# KiCad board MUX.kicad_pcb (continued)
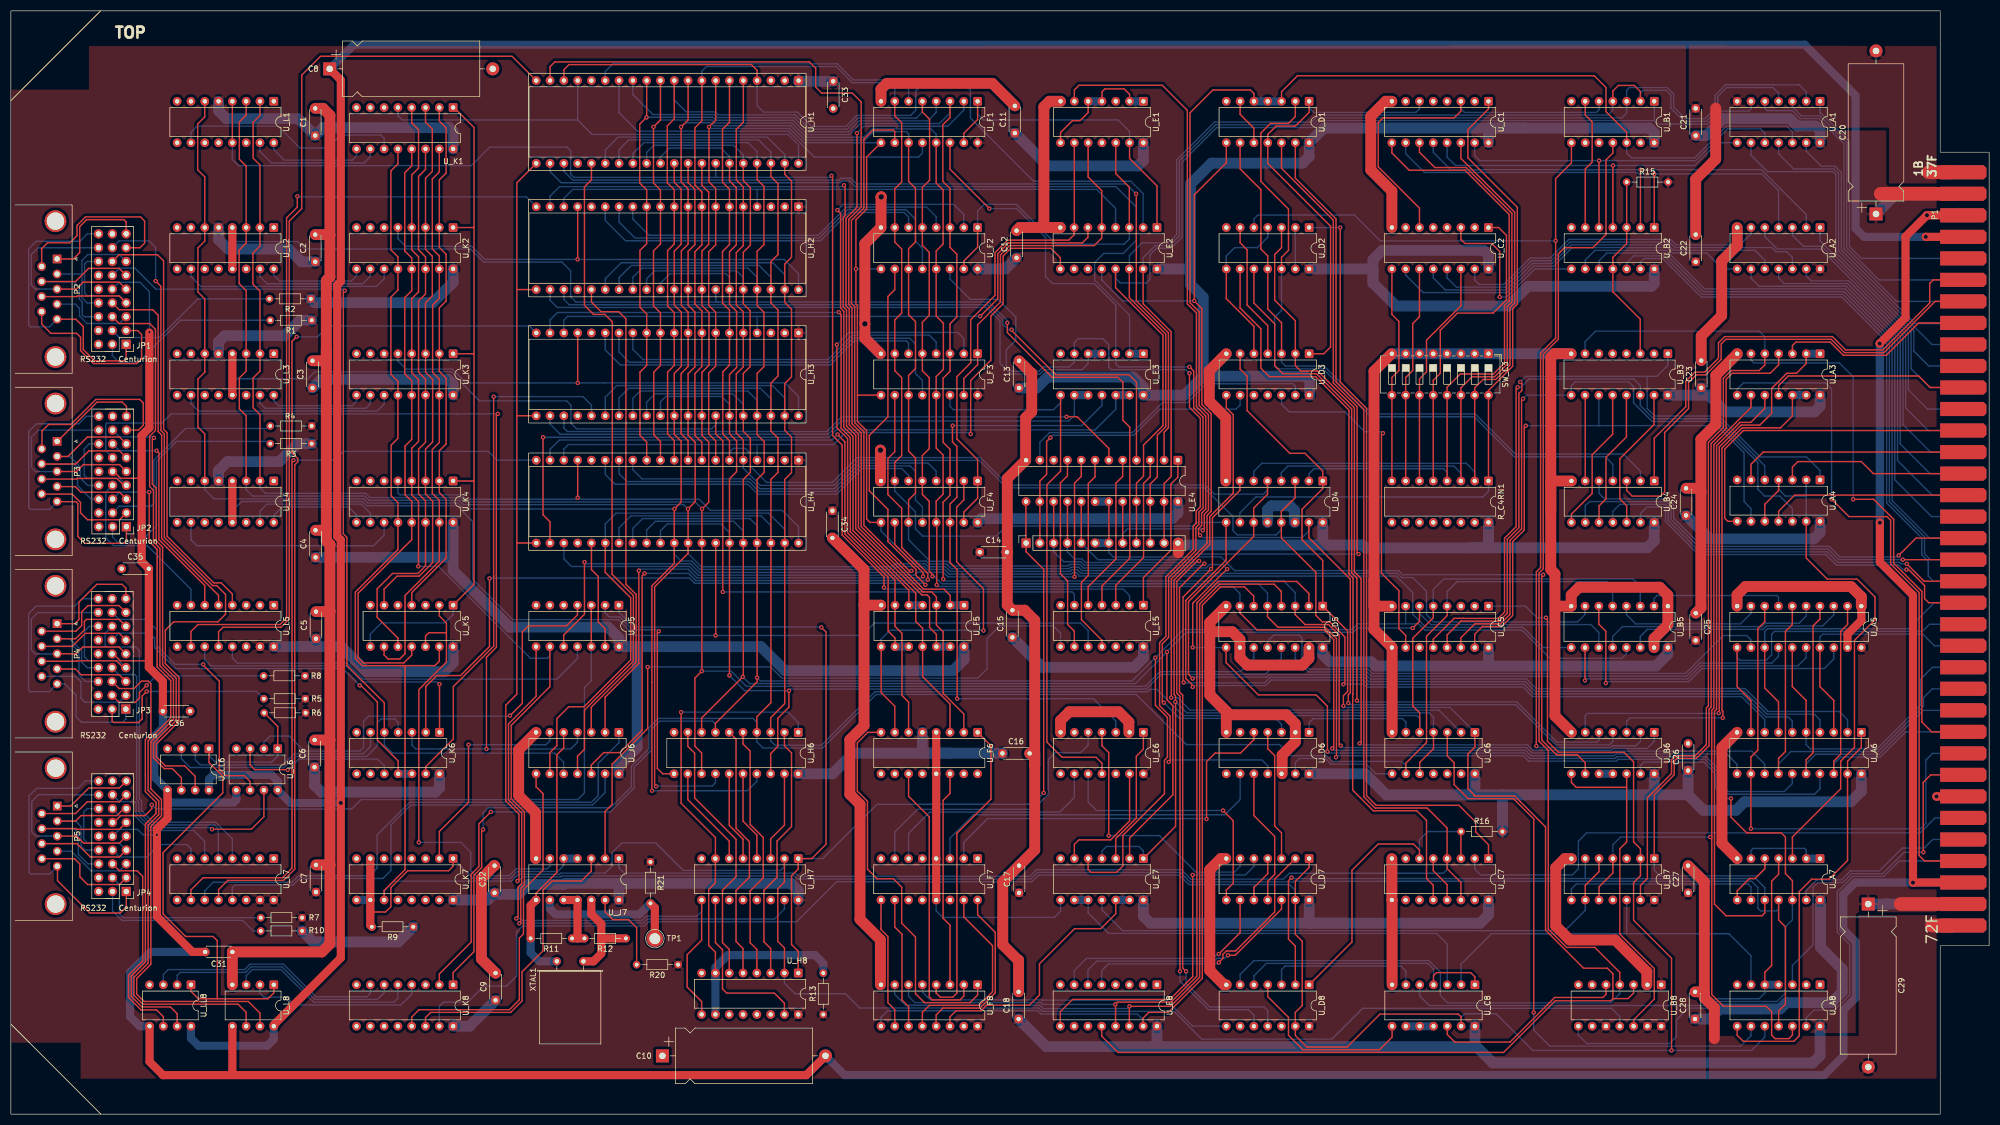
[diagram p0: board, top side]
## Routing (per net, layer and track width the routed paths; a pad name or vN(x,y) marks a point on that pad's centre or on a via; arc(x,y) is an arc through that point) (continued)
/Data.InD_{3}: length 41
  Bottom w0.25: U_A5.5 330.32,91.61 329.03,90.32 322.79,90.32 322.18,89.71 296.54,89.71 294.72,87.89 U_B5.12
/Data.InD_{4}: length 95.5
  Bottom w0.25: U_D5.14 236.3,83.79 238.73,81.36 249.51,81.36 250.3,80.58 308.32,80.58 310.73,82.99 323.99,82.99 325.25,84.25 U_A5.14
/Data.InD_{5}: length 50.3
  Top w0.25: v1(289.64,79.81) U_B5.10
  Bottom w0.25: v1(289.64,79.81) 289.92,80.08 308.52,80.08 310.93,82.49 328.82,82.49 330.32,83.99 U_A5.16
/Data.InD_{6}: length 60.6
  Top w0.25: U_B5.6 292.18,90.14 293.47,88.86 v1(293.47,79.31)
  Bottom w0.25: 335.4,85.85 335.4,83.74 333.66,81.99 311.14,81.99 308.73,79.58 293.74,79.58 v1(293.47,79.31)
/Data.InD_{7}: length 100.7
  Bottom w0.25: U_A5.12 320.17,87.31 319.41,88.06 315.09,88.06 308.11,81.08 250.5,81.08 249.72,81.86 238.94,81.86 237.57,83.23 237.57,87.6 237.01,88.16 232.39,88.16 231.22,87 U_D5.12
/Data.OutD_{0}: length 407
  Top w0.25: v1(244.69,67.79) 244.41,68.07 244.41,88.13 242.47,90.08 238.14,90.08 236.3,91.92 U_D5.3 ; v1(171.54,98.44) 171.53,98.45 171.53,112.6 172.8,113.87 U_F4.3 172.8,122.35 171.53,123.62 171.53,135.41 172.8,136.68 U_F3.3 172.8,145.42 174.05,146.67 174.05,158.23 172.8,159.49 U_F2.3 172.8,170.31 171.48,171.63 171.48,182.04 172.8,183.36 U_F1.3 ; U_H4.12 116.99,123.66 115.75,124.89 115.75,136.53 116.99,137.76 U_H3.12 116.99,147.23 115.75,148.46 115.75,158.93 116.99,160.16 U_H2.12 116.99,170.04 115.7,171.32 115.7,182.14 v1(116.97,183.41) 116.99,183.43 U_H1.12
  Bottom w0.25: U_D5.3 236.3,95.98 234.19,98.09 171.89,98.09 v1(171.54,98.44) ; v1(116.97,183.41) 116.98,183.42 129.19,183.42 129.74,182.87 143.91,182.87 146.54,180.24 154.28,180.24 156.32,182.27 170.84,182.27 172.8,184.23 U_F1.3 ; 322.7,62.63 322.7,64.39 320.32,66.78 295.09,66.78 294.76,66.45 279.88,66.45 278.88,67.45 245.03,67.45 v1(244.69,67.79)
/Data.OutD_{1}: length 391.1
  Top w0.25: v1(243.14,67.28) 243.41,67.56 243.41,87.3 241.63,89.08 229.29,89.08 226.14,92.23 U_D5.7 ; 170.36,108.78 170.36,97.37 v1(170.36,97.37) ; U_F1.13 170.26,171.32 171.53,170.05 171.53,160.1 170.26,158.83 U_F2.13 170.26,146.84 171.58,145.52 171.58,137.03 170.26,135.71 U_F3.13 170.26,122.55 171.53,121.29 171.53,114.07 170.26,112.8 U_F4.13 ; U_H4.11 119.53,123.76 118.29,124.99 118.29,136.53 119.53,137.76 U_H3.11 119.53,147.43 118.24,148.72 118.24,158.83 119.53,160.11 U_H2.11 119.53,170.04 118.24,171.32 v1(118.24,181.65) 119.53,182.93 U_H1.11
  Bottom w0.25: v1(243.14,67.28) 243.48,66.95 278.68,66.95 279.67,65.95 294.96,65.95 295.29,66.28 315.69,66.28 317.62,64.34 U_A6.11 ; v1(118.24,181.65) 119.51,182.92 128.98,182.92 129.53,182.37 143.7,182.37 146.33,179.74 156.94,179.74 158.47,181.27 169.3,181.27 170.26,180.31 U_F1.13 ; v1(170.36,97.37) 170.64,97.09 224.83,97.09 226.14,95.78 U_D5.7
/Data.OutD_{2}: length 419.6
  Top w0.25: U_H1.10 122.07,183.13 120.78,181.84 120.78,171.37 122.07,170.09 U_H2.10 122.07,160.11 120.83,158.88 120.83,148.72 122.07,147.48 U_H3.10 122.07,137.76 120.83,136.53 120.83,125.15 122.07,123.91 U_H4.10 ; U_D5.5 231.22,91.51 233.16,89.58 241.84,89.58 243.91,87.51 243.91,65.76 v1(243.82,65.67) ; U_F1.5 167.72,184.38 169.04,183.06 169.04,171.83 167.72,170.51 U_F2.5 167.72,159.84 168.99,158.57 168.99,146.99 167.72,145.72 U_F3.5 167.72,136.78 168.99,135.51 168.99,122.45 167.72,121.18 U_F4.5 167.72,114.02 168.99,112.75 168.99,99.89 169.58,99.3 v1(169.58,98.95)
  Bottom w0.25: U_A6.17 332.87,59.86 331.85,58.85 315.69,58.85 314.1,60.44 314.1,62.87 311.7,65.28 295.71,65.28 295.38,64.95 279.26,64.95 278.26,65.95 244.09,65.95 v1(243.82,65.67) ; U_D5.5 231.22,95.88 229.51,97.59 171.3,97.59 169.93,98.95 v1(169.58,98.95) ; U_F1.5 167.72,184.38 166.61,183.27 155.9,183.27 153.87,181.24 146.95,181.24 144.32,183.87 130.15,183.87 129.6,184.42 124.24,184.42 122.07,186.6 U_H1.10
/Data.OutD_{3}: length 405.8
  Top w0.25: v1(217.45,85.88) 217.45,93.99 223.74,100.28 v1(223.8,100.28) ; v1(242.25,66.7) 242.25,75.05 240.16,77.14 229.54,77.14 223.6,83.08 U_D5.9 ; U_H4.9 124.61,123.91 123.32,125.2 123.32,136.27 124.61,137.56 U_H3.9 124.61,147.58 123.37,148.82 123.37,158.83 124.61,160.06 U_H2.9 124.61,170.24 123.32,171.53 v1(123.32,181.65) 124.61,182.93 U_H1.9 ; U_F1.11 165.18,171.63 166.45,170.36 166.45,160.5 165.18,159.23 U_F2.11 165.18,147.09 166.45,145.82 166.45,137.19 165.18,135.92 U_F3.11 165.18,122 166.45,120.73 166.45,114.27 165.18,113.01 U_F4.11
  Bottom w0.25: U_D5.9 217.48,85.85 v1(217.45,85.88) ; U_A6.15 327.79,60.83 326.32,59.36 315.89,59.36 314.6,60.65 314.6,63.08 311.9,65.78 295.5,65.78 295.17,65.45 279.47,65.45 278.47,66.45 242.5,66.45 v1(242.25,66.7) ; v1(123.32,181.65) 124.09,182.42 128.77,182.42 129.32,181.87 143.49,181.87 146.12,179.24 157.14,179.24 158.68,180.77 164.77,180.77 165.18,180.37 U_F1.11 ; v1(223.8,100.28) 222.96,101.12 220.56,101.12 219.95,100.5 197.29,100.5 196.65,101.14 194.77,101.14 194.49,100.87 173.24,100.87 172.38,101.73 169.14,101.73 165.18,105.69 U_F4.11
/Data.OutD_{4}: length 406.8
  Top w0.25: U_F1.7 162.64,183.67 163.91,182.4 163.91,171.53 162.64,170.26 U_F2.7 162.64,160.45 163.91,159.18 163.91,147.4 162.64,146.13 U_F3.7 162.64,136.78 163.91,135.51 163.91,121.19 162.64,119.92 U_F4.7 ; U_H1.8 127.15,182.77 125.86,181.48 125.86,170.97 127.15,169.68 U_H2.8 127.15,159.96 125.86,158.67 125.86,149.07 127.15,147.79 U_H3.8 127.15,137.56 125.86,136.27 125.86,124.89 127.15,123.6 U_H4.8 ; U_D4.9 223.6,101.93 216.18,94.51 216.18,80.17 217.45,78.89 v1(217.45,78.59)
  Bottom w0.25: U_F4.7 162.64,114.63 166.45,110.82 166.45,107.67 167.77,106.35 181.28,106.35 183.13,108.2 217.46,108.2 218.14,108.88 U_D4.9 ; U_A6.6 327.79,72.32 327.03,73.08 322.91,73.08 318.67,77.31 280.22,77.31 278.45,79.08 249.67,79.08 248.89,79.86 231.9,79.86 230.9,78.86 217.73,78.86 v1(217.45,78.59) ; U_H1.8 127.15,191.91 127.99,192.76 151.84,192.76 154.82,189.79 161.55,189.79 162.64,188.7 U_F1.7
/Data.OutD_{5}: length 419.9
  Top w0.25: U_D4.7 226.14,114.79 221.09,109.73 221.09,100.55 v1(220.83,100.29) 215.68,95.14 215.68,79.55 v1(215.8,79.43) ; 155.76,132.24 155.76,127.45 157.46,125.75 157.46,109.5 158.08,108.88 U_F4.9 ; 155.76,132.24 155.82,132.29 U_F3.9 ; 155.76,132.24 155.76,148.77 155.48,149.04 155.48,164.55 157.46,166.53 157.46,176.1 U_F1.9 ; U_H4.7 129.69,123.86 128.4,125.15 128.4,136.37 129.69,137.66 U_H3.7 129.69,147.53 128.4,148.82 128.4,158.67 129.69,159.96 U_H2.7 129.69,170.29 128.45,171.53 v1(128.45,181.65) 129.69,182.88 U_H1.7
  Bottom w0.25: U_F2.9 155.49,155.52 v1(155.48,155.52) ; U_A6.4 332.87,72.57 331.85,73.58 323.11,73.58 318.88,77.81 280.42,77.81 278.66,79.58 249.88,79.58 249.1,80.36 231.69,80.36 230.69,79.36 215.87,79.36 v1(215.8,79.43) ; v1(220.83,100.29) 220.54,100 197.09,100 196.45,100.64 194.97,100.64 194.7,100.37 173.03,100.37 172.17,101.23 168.93,101.23 168.4,101.76 165.65,101.76 160.1,107.31 U_F4.9 ; U_F1.9 145.92,178.74 143.29,181.37 128.73,181.37 v1(128.45,181.65)
/Data.OutD_{6}: length 353.7
  Top w0.25: U_H4.6 132.23,123.91 130.99,125.15 130.99,136.58 132.23,137.81 U_H3.6 132.23,147.94 130.94,149.23 130.94,158.72 132.23,160.01 U_H2.6 132.23,170.19 130.94,171.48 130.94,181.23 132.23,182.52 U_H1.6 ; U_D4.5 231.22,114.05 228.68,111.51 U_D4.11 228.68,106.31 216.68,94.3 216.68,80.91 v1(217.45,80.14)
  Bottom w0.25: v1(217.45,80.14) 217.73,80.41 231.03,80.41 231.48,80.86 249.31,80.86 250.09,80.08 278.86,80.08 280.63,78.31 319.09,78.31 323.31,74.09 336.43,74.09 337.94,72.57 U_A6.2 ; U_D4.5 231.22,114.81 230.48,114.07 221.46,114.07 219.79,115.75 183.46,115.75 178.42,120.8 155.69,120.8 151.13,116.23 139.04,116.23 136.07,119.2 136.07,121.59 135.16,122.5 132.92,122.5 132.23,121.81 U_H4.6
/Data.OutD_{7}: length 312.5
  Top w0.25: v1(245.19,79.09) 245.46,79.36 245.46,87.79 242.67,90.58 241.3,90.58 240.11,91.77 240.11,99.7 233.76,106.04 U_D4.13 233.76,110.87 236.3,113.41 U_D4.3 ; U_H1.5 134.77,182.49 133.48,181.2 133.48,171.88 134.77,170.59 U_H2.5 134.77,159.81 133.48,158.52 133.48,148.92 134.77,147.63 U_H3.5 134.77,137.51 133.48,136.22 133.48,125.3 134.77,124.01 U_H4.5
  Bottom w0.25: v1(245.19,79.09) 245.23,79.13 248.92,79.13 249.47,78.58 278.24,78.58 280.01,76.81 318.47,76.81 322.7,72.57 322.7,70.25 ; U_H4.5 134.77,118.83 137.9,115.7 151.42,115.7 156.02,120.3 178.21,120.3 183.26,115.24 219.59,115.24 224.87,109.96 224.87,107.37 225.64,106.59 232.83,106.59 233.76,107.52 U_D4.13
/DirectAddressed: length 83.2
  Top w0.25: U_D1.1 238.88,184.32 236.36,181.8 232.8,181.8 231.26,180.26 U_D1.11 231.26,174.94 242.83,163.37 242.83,141.15 241.59,139.91 U_D3.1
  Bottom w0.25: U_D1.1 238.88,185.15 239.71,184.32 258.54,184.32 259.18,184.96 U_C1.6
/ForceTXEInt: length 164.1
  Top w0.25: U_E7.1 214.3,52.95 214.3,76.94 214.03,77.21 214.03,98.26 220.59,104.83 220.59,109.94 224.92,114.27 224.92,128.7 223.64,129.98 U_D3.8 ; U_C6.4 261.76,67.25 259.22,64.71 U_C6.10
  Bottom w0.25: v1(214.26,75.86) 214.37,75.86 216.39,73.83 260.95,73.83 261.76,73.01 U_C6.4 ; U_E7.4 200.76,48.41 201.6,49.25 207.55,49.25 208.38,48.42 U_E7.1
/FrameF_{0}: length 67.3
  Bottom w0.25: U_F1.12 167.72,176.81 167.01,176.1 147.85,176.1 143.08,180.87 115.3,180.87 111.91,184.26 U_H1.14
/FrameF_{1}: length 71.1
  Bottom w0.25: U_H2.14 111.91,164.14 114.84,161.21 148.76,161.21 153.96,166.4 164.71,166.4 166.45,164.67 166.45,160.6 167.72,159.33 U_F2.12
/FrameF_{2}: length 71
  Bottom w0.25: U_H3.14 111.91,140.22 113.77,138.35 150.55,138.35 154.96,142.77 165.39,142.77 166.45,141.71 166.45,136.27 167.72,135 U_F3.12
/FrameF_{3}: length 70.7
  Bottom w0.25: U_H4.14 111.91,117.83 113.35,116.39 135.79,116.39 137.61,114.57 151.71,114.57 156.44,119.3 165.44,119.3 166.45,118.29 166.45,113 167.72,111.73 U_F4.12
/INR_OUT: length 101.2
  Top w0.25: U_A4.10 322.73,112.18 322.71,112.19 325.26,114.75 U_A4.4 ; U_A7.3 327.81,50.99 336.68,59.87 336.68,64.95 339.22,67.49 339.22,87.17 343.01,90.96 343.01,95.15 339.7,98.45 334.21,98.45 330.35,102.32 U_A4.13
  Bottom w0.25: 330.35,114.49 U_A4.13 ; 330.35,114.49 U_A4.2 ; 330.35,114.49 330.35,113.73 330.33,113.72 326.52,113.72 325.26,114.97 U_A4.4
/INT_Pending: length 104.5
  Top w0.25: U_B7.5 292.22,44.62 289.68,42.08 U_B7.9
  Bottom w0.25: U_E7.11 200.76,37.57 204.57,33.76 285.93,33.76 289.68,37.51 U_B7.9
/INT_Request: length 144.2
  Top w0.25: U_A7.8 317.64,41.09 319.92,43.36 320.93,43.36 322.73,45.15 U_A7.5 ; U_A3.4 325.26,137.86 323.73,136.32 316.74,136.32 315.6,135.18 315.6,126.14 312.84,123.39 312.84,74.9 312.46,74.52 312.46,67.78 310.14,65.46 306.53,65.46 306.06,64.99 306.06,62.45 302.38,58.77 U_B7.1
  Bottom w0.25: U_B7.1 302.38,44.89 303.43,43.84 321.42,43.84 322.73,45.15 U_A7.5
/INTACK: length 95.6
  Top w0.25: U_A7.4 325.26,44.13 323.98,42.85 323.98,27.36 322.73,26.1 U_A8.5
  Bottom w0.25: U_A8.5 322.73,22.29 321.66,21.23 313.66,21.23 312.42,19.99 294.72,19.99 294.71,19.98 261,19.98 259.22,21.76 U_C8.5
  Bottom w1.5: U_A8.5 U_A8.4
/LevelAllow: length 154.8
  Top w0.25: U_A3.5 322.73,137.85 321.69,136.82 316.53,136.82 315.1,135.39 315.1,126.35 312.34,123.59 312.34,75.11 311.96,74.73 311.96,67.99 309.94,65.96 306.33,65.96 305.56,65.2 305.56,62.66 301.12,58.22 301.12,43.36 299.84,42.08 U_B7.13
  Bottom w0.25: U_B3.7 289.64,142.12 291.6,144.07 321.69,144.07 322.73,143.04 U_A3.5
/LoadCR_{0}: length 257.7
  Top w0.25: v1(151.01,172.65) 151.19,172.46 151.19,124.87 152.96,123.11 152.96,106.54 160.65,98.86 v1(160.65,96.9) ; U_L1.13 U_L1.4
  Bottom w0.25: U_H1.34 129.69,172.48 129.58,172.37 ; U_E5.2 205.84,95.41 204.66,96.59 160.96,96.59 v1(160.65,96.9) ; U_L1.13 40.75,175.73 40.72,175.69 41.89,174.52 84.71,174.52 88.12,177.93 102.34,177.93 103,177.27 103,172.95 103.58,172.37 129.58,172.37 ; v1(151.01,172.65) 150.73,172.37 129.58,172.37
/LoadCR_{1}: length 234.9
  Top w0.25: U_E5.4 200.76,97.18 205.87,102.29 205.87,126.42 204.6,127.69 204.6,134.65 203.68,135.57 191.6,135.57 183.36,143.81 v1(183.36,145.6)
  Top w1.5: U_L2.13 U_L2.4
  Bottom w0.25: 130.28,149.43 129.69,149.43 U_H2.34 ; 130.28,149.43 103.97,149.43 103,150.39 103,155.17 101.39,156.78 86.99,156.78 84.58,159.18 54.13,159.18 52.76,160.56 41.53,160.56 40.75,161.33 U_L2.4 ; 130.28,149.43 179.94,149.43 183.36,146 v1(183.36,145.6)
/LoadCR_{2}: length 207.8
  Top w0.25: v1(130.99,96.09) 130.99,123.88 129.69,125.18 U_H3.34
  Top w1.5: U_L3.13 U_L3.4
  Bottom w0.25: U_H3.34 129.69,126.83 128.96,126.1 104.07,126.1 103.15,127.01 103.15,127.23 103.05,127.33 103.05,130.43 102.24,131.24 86.24,131.24 82.75,134.73 82.75,134.87 81.04,136.58 55.91,136.58 54.64,135.31 41.58,135.31 40.75,134.48 U_L3.13 ; v1(130.99,96.09) 130.99,96.09 195.25,96.09 195.68,95.66 U_E5.6
/LoadCR_{3}: length 205.8
  Top w0.25: v1(129.67,88.07) 129.69,88.09 129.69,105.08
  Top w1.5: U_L4.13 U_L4.4
  Bottom w0.25: U_E5.10 198.22,88.96 196.83,90.35 158.88,90.35 156.61,88.07 114.73,88.07 111.82,90.98 92.37,90.98 84.97,98.39 84.97,109.04 82.06,111.95 65.46,111.95 64.68,112.72 42.47,112.72 40.75,111.01 U_L4.13
/LoadIPL: length 63.9
  Top w0.25: U_C5.10 256.64,88.09 255.4,89.33 255.4,96.32 252.19,99.53 252.19,125.02 v1(252.46,125.3)
  Bottom w0.25: v1(252.46,125.3) 252.19,125.57 249.11,125.57 245.47,129.21 235.23,129.21 233.8,130.64 U_D3.12
/MMIO_HSel: length 69.1
  Top w0.25: U_C2.6 259.18,166.7 251.59,174.3 251.59,182.42 252.48,183.31 265.56,183.31 266.8,184.55 U_C1.3
  Bottom w0.25: U_C1.3 266.8,184.99 267.47,184.32 291.72,184.32 292.22,184.82 U_B1.5
/MUX0.~{RxD_INT}: length 57.6
  Top w0.25: U_F6.1 180.34,67.78 180.34,57.96 174.07,51.69 174.07,22.28 173.31,21.51 171.02,21.51 170.26,22.28 U_F8.4
/MUX0.~{TxBE_INT}: length 33.1
  Top w0.25: U_F8.13 170.26,18.26 171.51,19.51 178.32,19.51 181.13,22.32 181.13,33.45 177.88,36.7 U_F7.16
/MUX0.~{TxBE_LCH}: length 71.8
  Top w0.25: v1(220,54.31) 220,64.86 221.57,66.42 226.24,66.42 228.72,68.9 U_D6.5
  Bottom w0.25: v1(220,54.31) 219.93,54.38 179.71,54.38 175.34,50.01 U_F7.2
/MUX1.~{RxD_INT}: length 39.9
  Top w0.25: U_F8.3 172.8,34.77 171.53,36.04 171.53,57.73 172.8,59 U_F6.14
/MUX1.~{TxBE_INT}: length 36.1
  Top w0.25: U_F8.12 167.72,18.72 169.01,20.01 178.11,20.01 180.63,22.53 180.63,31.01 175.34,36.3 U_F7.15
/MUX1.~{TxBE_LCH}: length 64.8
  Bottom w0.25: U_F7.3 172.8,50.78 177.11,55.09 223.39,55.09 226.18,57.88 U_D6.9
/MUX2.~{RxD_INT}: length 51.6
  Top w0.25: U_F8.2 175.34,21.72 174.64,21.01 169.54,21.01 168.99,21.56 168.99,54.69 165.18,58.5 U_F6.11
/MUX2.~{TxBE_INT}: length 24.3
  Top w0.25: U_F7.10 162.64,34.42 163.96,33.1 163.96,21.01 165.18,19.79 U_F8.11
/MUX2.~{TxBE_LCH}: length 42.3
  Bottom w0.25: U_F7.6 165.18,51.69 169.08,55.59 193,55.59 195.68,58.26 U_E6.9
/MUX3.~{RxD_INT}: length 72.1
  Top w0.25: U_F8.1 177.88,21.92 176.47,20.51 168.11,20.51 166.45,22.17 166.45,32.59 163.91,35.13 163.91,41.78 162.39,43.31 159.39,43.31 157.61,45.09 157.61,57.56 155.75,59.42 155.75,68.32 157.68,70.25 U_F6.8
/MUX3.~{TxBE_INT}: length 24.3
  Top w0.25: U_F8.10 162.64,19.23 161.37,20.5 161.37,32.69 160.05,34.01 160.1,34.06 U_F7.9
/MUX3.~{TxBE_LCH}: length 53.2
  Bottom w0.25: U_E6.5 198.22,67.92 196.83,66.52 192.15,66.52 190.91,65.28 190.91,58.88 188.12,56.09 166.83,56.09 162.64,51.89 U_F7.7
/MUXClock: length 435.9
  Top w0.25: U_H8.2 142.34,30.56 141.1,31.8 141.1,41.45 142.34,42.69 U_H7.2 ; U_K5.13 78.84,83.35 78.01,82.52 71.5,82.52 ; 71.5,82.52 72.52,82.52 72.52,44.98 68.68,41.14 U_K7.11 ; 71.5,82.52 64.65,82.52 63.38,83.79 63.38,96.04 71.22,103.87 U_K4.12 71.22,112.53 69.98,113.77 69.98,123.11 71.22,124.35 U_K3.12 71.22,134.83 69.93,136.12 69.93,150.34 71.22,151.63 U_K2.12 71.22,157.74 69.93,159.03 69.93,173.56 71.22,174.85 U_K1.12
  Bottom w0.25: U_B8.11 296.04,17.96 294.52,19.48 248.75,19.48 243.06,13.79 219.13,13.79 214.01,18.92 189.74,18.92 189.14,19.52 156.17,19.52 153.55,22.15 144.28,22.15 142.34,24.09 U_H8.2 ; U_H7.2 142.34,45.56 141.61,44.83 123.73,44.83 118.65,49.91 112.42,49.91 110.62,48.12 110.62,45.64 109.31,44.33 101.13,44.33 100.93,44.14 93.38,44.14 92.11,42.87 70.5,42.87 68.68,41.04 U_K7.11
/OverrunF_{0}: length 62.5
  Bottom w0.25: U_F1.6 165.18,189.08 163.97,190.29 155.02,190.29 152.05,193.26 110.79,193.26 109.37,191.84 U_H1.15
/OverrunF_{1}: length 64.3
  Bottom w0.25: U_F2.6 165.18,165.07 164.35,165.9 154.16,165.9 148.97,160.71 113.11,160.71 109.37,164.45 U_H2.15
/OverrunF_{2}: length 64
  Bottom w0.25: U_F3.6 165.18,141.86 164.77,142.27 155.17,142.27 150.76,137.85 112.14,137.85 109.37,140.62 U_H3.15
/OverrunF_{3}: length 63.4
  Bottom w0.25: U_F4.6 165.18,117.53 163.91,118.8 156.64,118.8 151.92,114.07 137.4,114.07 135.58,115.89 111.19,115.89 109.37,117.71 U_H4.15
/ParityF_{0}: length 64.7
  Bottom w0.25: U_F1.4 170.26,184.33 168.7,182.77 156.11,182.77 154.08,180.74 146.75,180.74 144.12,183.37 129.94,183.37 129.39,183.92 118.14,183.92 114.45,187.61 U_H1.13
/ParityF_{1}: length 64.2
  Bottom w0.25: U_F2.4 170.26,165.13 168.48,166.9 153.75,166.9 148.55,161.71 117.44,161.71 114.43,164.72 114.45,164.74 U_H2.13
/ParityF_{2}: length 64.1
  Bottom w0.25: U_H3.13 114.45,140.72 116.32,138.85 150.34,138.85 154.82,143.33 168.99,143.33 170.26,142.06 U_F3.4
/ParityF_{3}: length 63.4
  Bottom w0.25: U_H4.13 114.45,118.58 116.13,116.89 136,116.89 137.82,115.07 151.51,115.07 156.23,119.8 168.75,119.8 170.26,118.29 U_F4.4
/Phase1: length 316.3
  Top w0.25: U_D1.13 236.34,172.22 243.83,164.73 243.83,134.77 248.94,129.66 248.94,58.39 251.01,56.32 260.6,56.32 264.26,52.66 U_C7.4 264.26,45.16 266.8,42.62 U_C7.14
  Bottom w0.25: U_C7.4 264.26,45.01 263.58,44.32 235.23,44.32 234.15,43.24 217.13,43.24 215.4,44.97 188.69,44.97 187.48,43.76 144.92,43.76 144.35,44.33 112.9,44.33 111.88,45.35 U_J7.1
/Phase2: length 8.7
  Top w0.25: U_C7.13 264.26,42.24 261.72,44.78 U_C7.5
/Phase3: length 140.6
  Top w0.25: U_C7.12 261.72,42.12 260.48,43.36 260.48,54.03 258.69,55.82 250.69,55.82 246.89,59.62 246.89,77.27 246.96,77.34 246.96,98.63 246.21,99.39 246.21,129.56 240.07,135.69 231.54,135.69 230,137.24 230,144.5 226.18,148.32 U_D2.9
/Read: length 119.7
  Top w0.25: U_D1.9 226.18,173.92 230,170.1 230,159.18 231.26,157.92 U_D2.11 231.26,148.14 233.8,145.6 U_D3.3
  Bottom w0.25: U_B4.2 299.84,118.29 296.68,121.45 276.82,121.45 269.44,128.83 250.45,128.83 241.63,137.64 234.52,137.64 233.8,138.36 U_D3.3
/Reset: length 410.9
  Top w0.25: U_A7.11 325.26,35.72 326.52,34.47 326.52,20.24 325.26,18.99 U_A8.11 ; 96.67,105.08 93.09,105.08 93.09,171.37 U_H1.21 ; 93.09,128.45 93.14,128.5 96.67,128.5 ; v1(93.22,42.88) 93.49,43.15 93.49,55.2 91.06,57.63 91.06,75.25 93.09,77.28 93.09,105.26 ; U_H2.21 93.09,151.72
  Bottom w0.25: U_A7.11 325.26,37.78 324.87,37.39 321.95,37.39 321.44,37.9 321.44,41.71 320.31,42.84 236.06,42.84 235.96,42.74 216.93,42.74 215.2,44.47 188.89,44.47 187.69,43.26 144.71,43.26 144.15,43.83 101.34,43.83 101.14,43.64 94.17,43.64 93.41,42.88 v1(93.22,42.88)
/RTS0_TTL: length 32.9
  Bottom w0.25: U_L8.2 45.83,22.24 46.56,21.51 50.74,21.51 52.16,20.09 71.76,20.09 73.76,22.09 U_K8.4
/RTS1_TTL: length 35.3
  Bottom w0.25: U_L8.3 43.3,25.46 44.44,26.6 49.7,26.6 55.71,20.59 70.48,20.59 71.22,21.33 U_K8.5
/RTS2_TTL: length 44.9
  Bottom w0.25: U_K8.6 68.68,22.34 67.43,21.09 55.92,21.09 49.91,27.1 44.23,27.1 43.21,26.09 31.17,26.09 30.6,25.52 U_LL8.2
/RTS3_TTL: length 45.1
  Bottom w0.25: U_K8.7 66.14,22.24 65.49,21.59 56.13,21.59 50.13,27.6 44.02,27.6 43.01,26.59 28.95,26.59 28.06,25.69 U_LL8.3
/RX_{0}_IN: length 164.2
  Top w0.25: U_H1.20 92.21,194.64 56.98,194.64 53.52,191.19 53.52,166.61 51.23,164.32 51.23,91.1 49.66,89.54 49.61,89.59 39.04,89.59 38.22,88.76 U_L5.12
/RX_{1}_IN: length 144.6
  Top w0.25: U_L5.10 33.13,88.81 34.41,90.09 49.5,90.09 50.73,91.31 50.73,164.91 52.71,166.9 v1(52.71,168.88)
  Bottom w0.25: U_H2.20 94.84,168.79 53.1,168.79 53,168.88 v1(52.71,168.88)
/RX_{2}_IN: length 161.9
  Top w0.25: v1(52.56,143.03) 51.73,142.19 51.73,121.69 52.78,120.64 52.78,120 52.23,119.45 52.23,45.06 50.17,43 39.91,43 38.22,41.31 U_L7.12
  Bottom w0.25: U_H3.20 95.39,145.01 58.4,145.01 56.42,143.03 v1(52.56,143.03)
/RX_{3}_IN: length 143.3
  Top w0.25: v1(52,120.32) 51.73,120.05 51.73,45.27 49.96,43.5 35.38,43.5 33.13,41.26 U_L7.10
  Bottom w0.25: v1(52,120.32) 59.57,120.32 61.19,121.95 87.85,121.95 89.47,120.33 U_H4.20
/RxD_{0}: length 144.1
  Top w0.25: v1(155.68,180.51) 155.68,166.87 153.66,164.86 153.66,148.74 154.26,148.15 154.26,126.83 155.96,125.13 155.96,107.9 167.77,96.09 169.4,96.09 170.3,95.18 U_F5.3 170.3,90 171.53,88.77 171.53,77.44 175.34,73.63 U_F6.2
  Bottom w0.25: U_F1.2 175.34,184.73 172.38,181.77 156.94,181.77 v1(155.68,180.51)
/RxD_{1}: length 131.5
  Top w0.25: U_F6.3 172.8,75.46 167.76,80.5 U_F5.11 167.76,89.39 166.5,90.65 166.5,95.83 154.96,107.37 154.96,124.71 153.26,126.41 153.26,147.73 152.66,148.33 152.66,165.75 v1(152.08,166.33)
  Bottom w0.25: v1(152.08,166.33) 153.15,167.4 173.47,167.4 175.34,165.53 U_F2.2
/RxD_{2}: length 104.4
  Top w0.25: U_F6.6 165.18,75.82 163.96,77.04 163.96,88.47 162.68,89.75 U_F5.6 162.68,98.24 153.96,106.96 153.96,124.3 152.26,126 152.26,126.03 151.98,126.3 151.98,141.55 v1(151.97,141.57)
  Bottom w0.25: v1(151.97,141.57) 154.23,143.83 174.23,143.83 175.34,142.72 U_F3.2
/RxD_{3}: length 67.8
  Top w0.25: v1(178.96,88.98) 178.96,96.69 174.02,101.63 174.02,111.68 175.34,113.01 U_F4.2 ; U_F5.8 160.14,77.56 162.64,75.06 U_F6.7
  Bottom w0.25: v1(178.96,88.98) 178.91,89.03 161.78,89.03 160.1,87.35 160.14,87.31 U_F5.8
/SysA_{0}: length 210.8
  Top w0.25: U_EB4.11 212.19,116.02 213.49,117.32 213.49,143.96 208.34,149.11 U_E2.15
  Bottom w0.25: U_A1.2 330.35,188.12 329.07,189.4 324.44,189.4 315.52,189.4 315.52,189.4 315.46,189.4 315.46,189.35 313.57,187.46 313.57,185.01 311.73,183.17 308.07,183.17 305.94,185.31 305.94,187.74 304.78,188.89 297.81,188.89 297.3,188.39 U_B1.3 297.3,184.19 296.43,183.32 240.81,183.32 239.52,182.03 221.66,182.03 215.01,175.38 215.01,161.64 213.19,159.82 210.58,159.82 208.34,157.59 U_E2.15
/SysA_{1}: length 213.1
  Top w0.25: U_B1.4 294.76,188.26 295.79,189.28 298.71,189.28 299.84,188.14 U_B1.2 ; U_E2.14 205.8,150.23 212.49,143.55 212.49,126.49 210.95,124.95 210.95,117.25 209.65,115.95 U_EB4.10
  Bottom w0.25: U_E2.14 205.8,157.97 208.16,160.32 212.98,160.32 214.51,161.85 214.51,175.58 221.46,182.53 239.32,182.53 240.6,183.82 293.88,183.82 294.76,184.7 U_B1.4 ; U_A1.4 325.26,187.87 324.23,188.9 315.73,188.9 314.07,187.25 314.07,184.81 311.94,182.67 307.87,182.67 305.44,185.1 305.44,187.53 304.57,188.39 300.36,188.39 299.84,187.88 U_B1.2
/SysA_{2}: length 204.6
  Top w0.25: U_E2.13 203.26,152.07 211.99,143.34 211.99,126.69 208.41,123.11 208.41,117.4 207.11,116.1 U_EB4.9
  Bottom w0.25: U_A1.6 320.19,184.93 319.79,184.54 314.51,184.54 312.14,182.17 303.02,182.17 302.37,182.82 ; 302.37,182.82 241.02,182.82 239.73,181.53 221.87,181.53 215.51,175.17 215.51,161.4 213.43,159.32 210.78,159.32 209.58,158.12 209.58,153.59 208.92,152.93 204.14,152.93 203.26,153.82 U_E2.13 ; 302.37,182.82 302.38,182.81 U_B1.1
/SysA_{3}: length 236.4
  Top w0.25: v1(219.32,107.42) 219.59,107.7 219.59,110.35 220.36,111.12 220.36,128.67 218.64,130.39 218.64,147.63 216.96,149.3 216.96,184.24 221.16,188.44 228.07,188.44 228.72,187.79 U_D1.5 ; U_B1.12 297.3,180.65 293.5,184.45 293.5,188.9 291.34,191.06 236.73,191.06 233.8,188.13 U_D1.3 ; U_EB4.8 U_E4.20
  Bottom w0.25: U_B1.12 297.3,176.84 298.2,175.95 309.81,175.95 315.65,181.79 326.75,181.79 327.81,180.73 U_A1.12 ; U_EB4.8 204.57,106.82 205.45,107.7 219.04,107.7 v1(219.32,107.42)
  Bottom w1.5: U_D1.3 U_D1.4 U_D1.5
/TX_{0}_OUT: length 122.1
  Top w0.25: U_J6.11 104.26,65.85 105.54,67.13 105.54,74.34 114.54,83.34 114.54,95.42 110.62,99.34 110.62,119.92 110.67,119.97 110.67,145.77 109.29,147.15 107.21,147.15 105.54,148.82 105.54,170.61 106.83,171.9 U_H1.25
/TX_{0}_TTL: length 38.7
  Bottom w0.25: U_LL6.2 33.91,65.2 34.83,64.28 50.11,64.28 52.13,66.3 64.83,66.3 66.18,67.65 U_K6.6
/TX_{1}_OUT: length 90.2
  Top w0.25: U_J6.3 106.8,74.89 115.04,83.13 115.04,95.63 113.16,97.51 113.16,146.33 111.84,147.65 108.59,147.65 106.83,149.41 U_H2.25
/TX_{1}_TTL: length 50.7
  Bottom w0.25: U_LL6.3 31.37,65.41 33,63.78 50.31,63.78 52.34,65.8 65.45,65.8 67.44,67.79 67.44,72.06 68.1,72.72 70.64,72.72 71.26,72.1 U_K6.4
/TX_{2}_OUT: length 95.2
  Top w0.25: U_K6.13 76.34,63.94 81.41,69.01 81.41,78.67 88.84,86.1 88.84,98.9 88.83,98.91 v1(88.83,132.02)
  Bottom w0.25: U_H3.25 106.83,130.46 105.27,132.02 v1(88.83,132.02)
/TX_{2}_TTL: length 30.9
  Top w0.25: v1(50.95,63.32) 50.89,63.39 44.87,63.39 44.02,64.24 U_L6.3
  Bottom w0.25: v1(50.95,63.32) 52.93,65.3 67.49,65.3 68.72,64.08 U_K6.10
/TX_{3}_OUT: length 20.1
  Top w0.25: U_J5.13 109.34,89.29 108.08,90.55 108.08,98.93 106.83,100.19 106.83,105.08
/TX_{3}_TTL: length 83.2
  Top w0.25: v1(91.84,73.33) 94.11,75.6 94.11,88.72 95.23,89.84 102.24,89.84 104.26,91.86 U_J5.4
  Bottom w0.25: U_L6.2 46.56,68.45 47.68,69.57 51.21,69.57 53.98,66.8 64.22,66.8 64.9,67.49 64.9,72.31 65.81,73.22 91.73,73.22 v1(91.84,73.33)
/TxBE_{0}: length 165.4
  Top w0.25: v1(216.87,137.49) 217.64,136.72 217.64,129.97 219.36,128.26 219.36,111.54 218.59,110.77 218.59,108.5 218.04,107.95 218.04,103.69 213.03,98.68 213.03,87.72 211.86,86.55 211.86,75.97 v1(212.14,75.69) ; v1(180.04,166.63) 172.8,173.87 U_F1.14